# Altium PCB wtc_spi.PcbDoc (part 1 of 2) (continued)
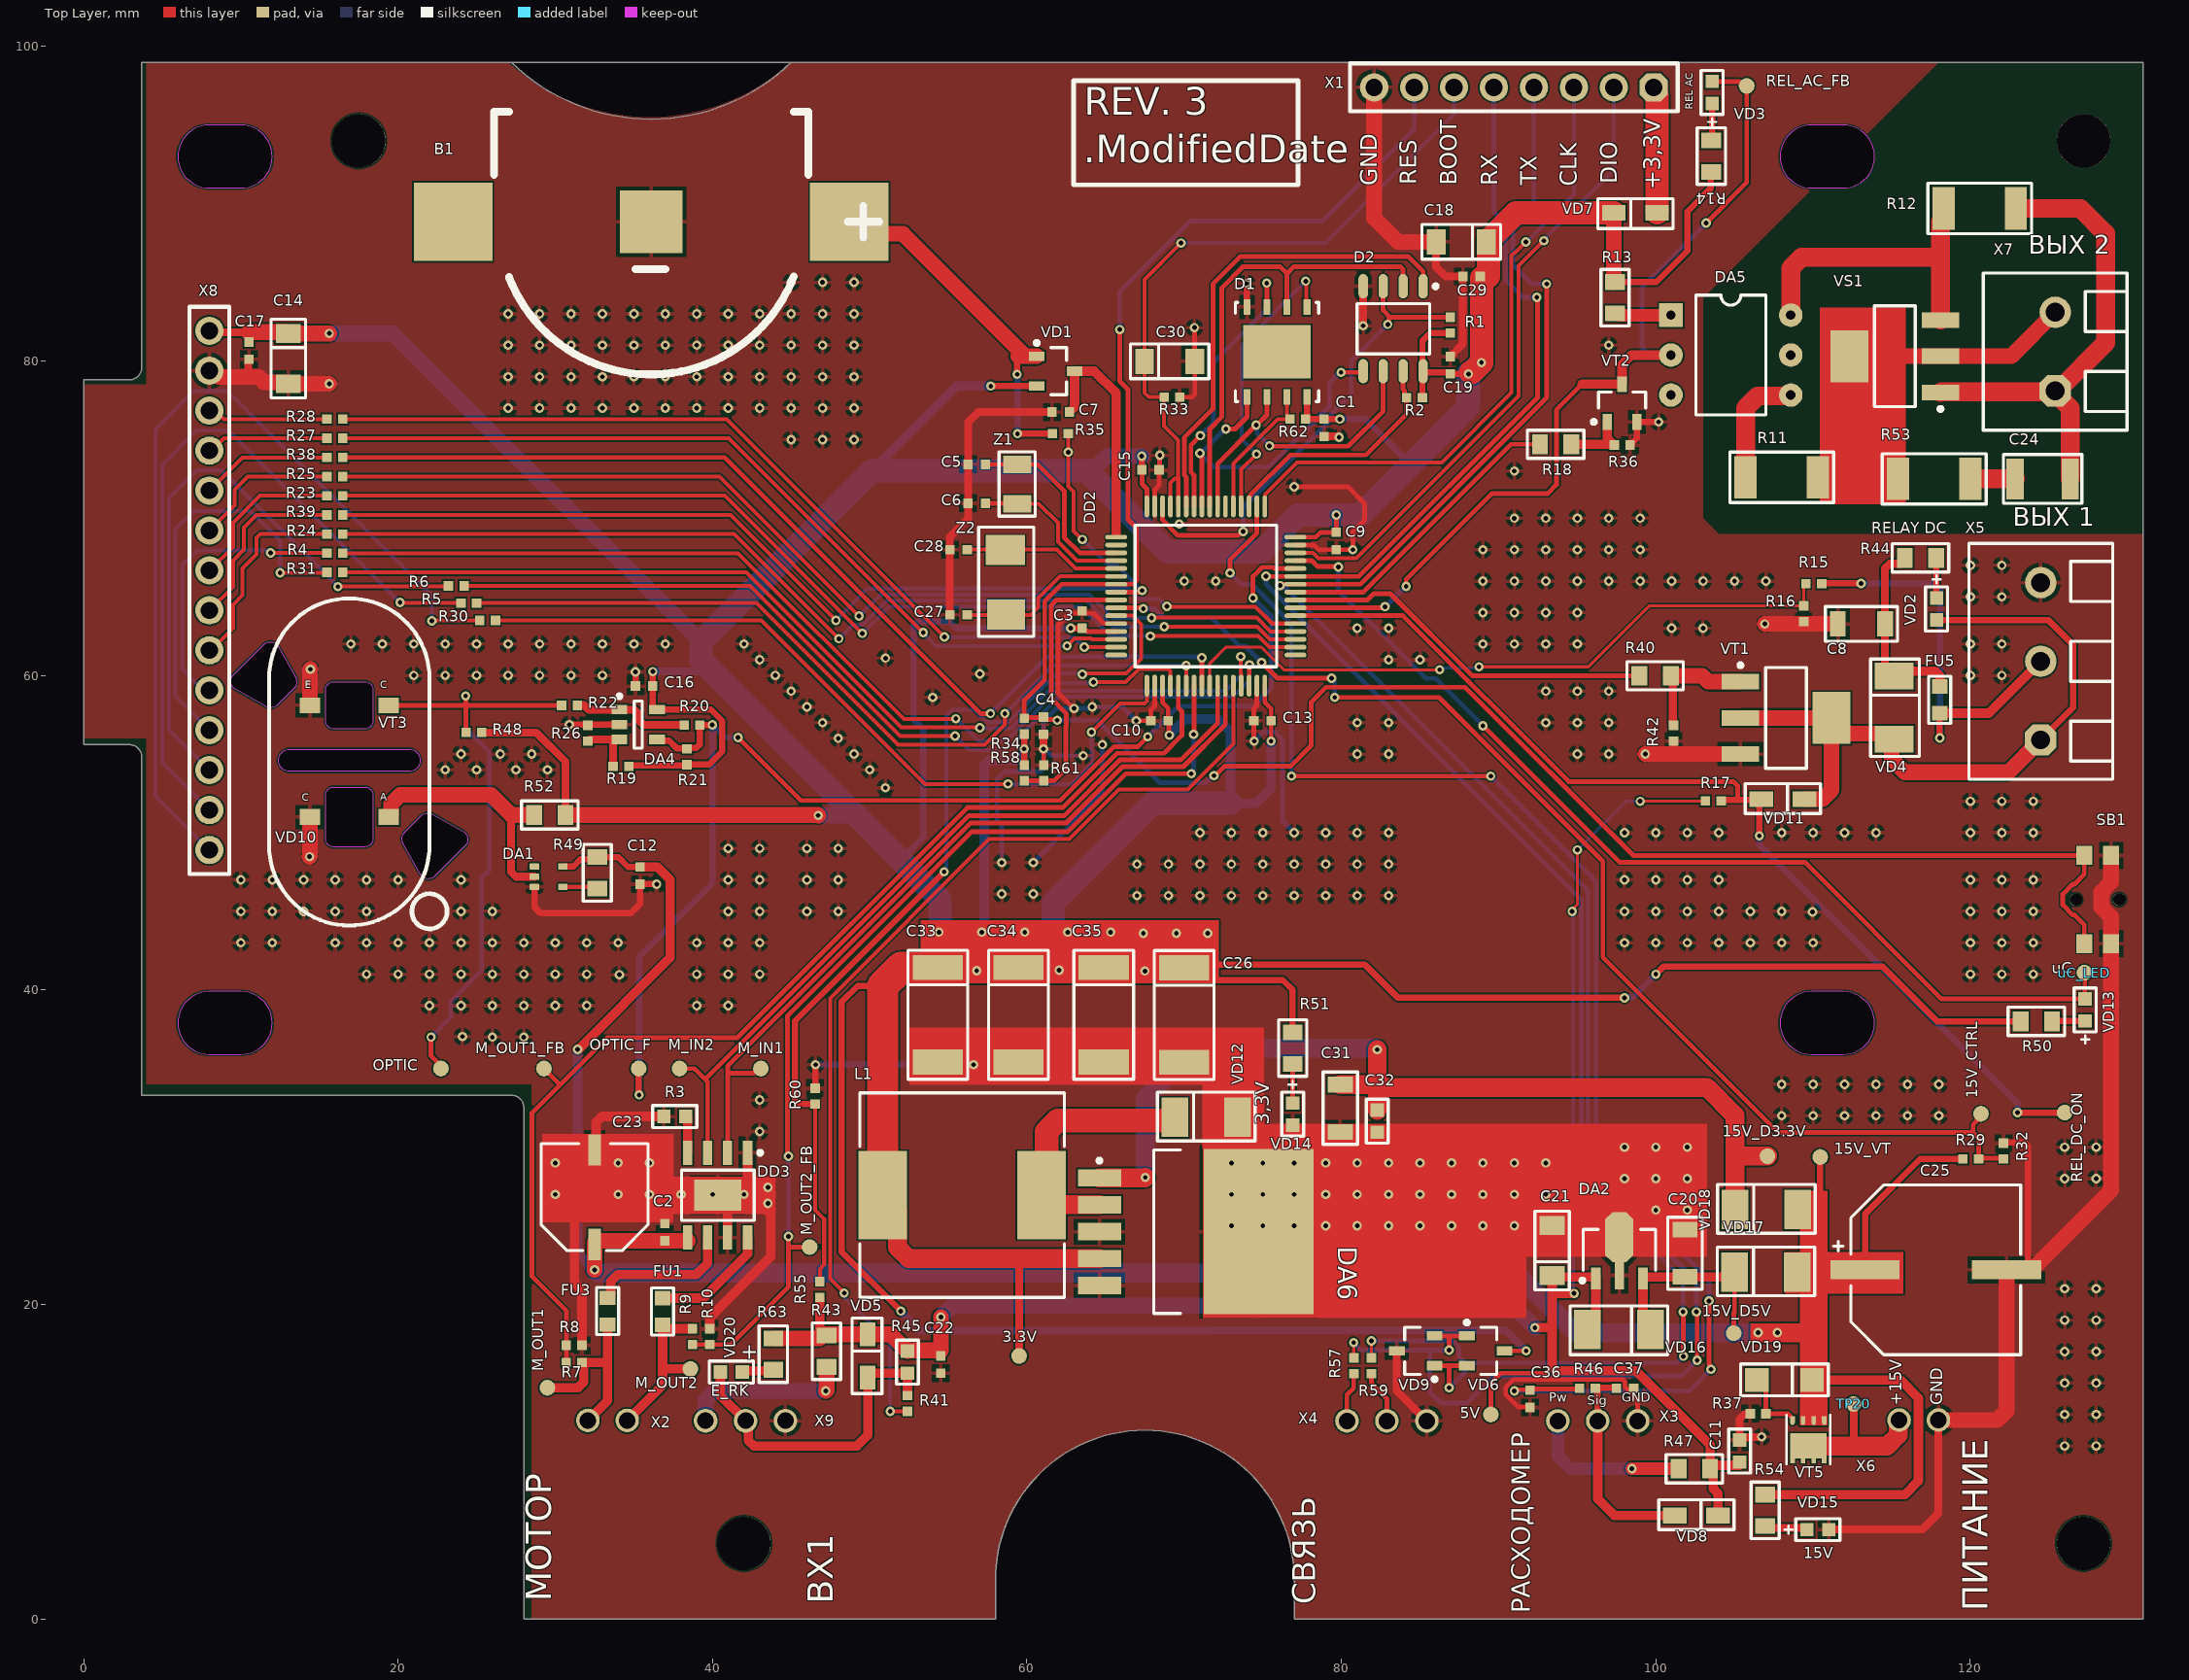
[diagram p0: Top Layer view]
## Components (designator, comment, footprint, x,y, rotation, side; value= is the part's Value field where it differs from the comment) (continued)
REL_DC_ON "=value" TESTPOINT 126,32.2 r180 top
SB1 "\"Кнопка\"" TL1014BF160QG 126.725,45.75 r90 top
TP20 "=value" TESTPOINT 112.575,13.675 r90 top
uC_LED "=value" TESTPOINT 127.25,41.1 r90 top
VD1 "BAT54C" SOT23_123 61.825,79.35 r0 top
VD2 "GREEN" CH0603LB 117.85,64.225 r270 top
VD3 "GREEN" CH0603LB 103.575,97.075 r90 top
VD4 "B340A-E3/61T" SMA 115.15,57.95 r90 top
VD5 "F1J" SOD123F 49.875,16.725 r90 top
VD6 "BAT54C" SOT23_123 89.175,17.05 r0 top
VD7 "F1J" SOD123F 98.7,89.425 r180 top
VD8 "F1J" SOD123F 102.575,6.575 r0 top
VD9 "PESD3V3S2UT" SOT23_132 84.725,17.05 r180 top
VD10 "TMSL1000" TSML1000 16.9,51 r180 top
VD11 "F1J" SOD123F 108.075,52.125 r0 top
VD12 "B140-E3/61T" SMA 71.4,31.9 r180 top
VD13 "BLUE" CH0603LB 127.3,38.725 r90 top
VD14 "RED" CH0603LB 76.9,32.1 r270 top
VD15 "ORANGE" CH0603LB 110.3,5.675 r0 top
VD16 "B140-E3/61T" SMA 97.65,18.4 r0 top
VD17 "B140-E3/61T" SMA 107,22.05 r180 top
VD18 "B140-E3/61T" SMA 107.025,26.025 r180 top
VD19 "BZV55-C10.115" SOD80 108.175,15.2 r0 top
VD20 "GREEN" CH0603LB 41.2,15.7 r180 top
VS1 "Z0107MN 5AA4" SOT223_G-D-S 115.2,80.3 r180 top
VT1 "STN3NF06L" SOT223_G-D-S 108.275,57.3 r0 top
VT2 "2N7002NXAKR" SOT23_123 97.85,77.325 r90 top
VT3 "TEMT1000" TEMT1000 16.9,58.1 r180 top
VT5 "IRFHM9331TRPBF" PQFN-3X3 108.687,10.082 r90 top
X1 "DNP" "CON: PBS-8" 90.97,97.4 r180 top
X2 "MX-22-05-3021" "CON: MX-22-05-3021" 32.075,12.625 r0 top
X3 "MX-22-05-3031" "CON: MX-22-05-3031" 93.76,12.591 r0 top
X4 "MX-22-05-3031" "CON: MX-22-05-3031" 80.35,12.591 r0 top
X5 "DG390-5.0-03P" "CON: 300-03P-5.0" 124.475,60.9 r90 top
X6 "MX-22-05-3021" "CON: MX-22-05-3021" 115.468,12.647 r0 top
X7 "DG390-5.0-02P" "CON: 300-02P-5.0" 125.4,80.6 r90 top
X8 "DS1023-1*14S21" DS1024-14 8,48.9 r90 top locked
X9 "MX-22-05-3031" "CON: MX-22-05-3031" 39.56,12.6 r0 top
Z1 "32.768KHz" "OSC: 3215" 59.375,72.175 r90 top
Z2 "16МГц" "OSC: ABM3" 58.675,65.925 r180 top

## Footprints (in the part's own frame and the unit in brackets; to place one, negate y for a bottom-side part, rotate by r counter-clockwise, add the part's x,y. Pads: shape width x height; smd on the part's side, far side on the other; paste and mask are expansions set on the pad)
8-HSOP [mm]
  rect 1.55x0.6 smd: 1(-2.7,1.905) 2(-2.7,0.635) 3(-2.7,-0.635) 4(-2.7,-1.905) 5(2.7,-1.905) 6(2.7,-0.635) 7(2.7,0.635) 8(2.7,1.905)
  rect 2x3 smd: 1(0,0)
  round 0.7 on Mech1: 28(-2.395,1.8)
  silkscreen extent -2.82,-2.3 1.61,2.83, body extent -3,-2.45 3,2.45, height 1.75
8-SOIC [mm]
  rrect100% 1.55x0.6 smd: 1(-2.7,1.905) 2(-2.7,0.635) 3(-2.7,-0.635) 4(-2.7,-1.905) 5(2.7,-1.905) 6(2.7,-0.635) 7(2.7,0.635) 8(2.7,1.905)
  round 0.7 on Mech1: 28(-2.395,1.8)
  silkscreen extent -2.82,-2.3 1.61,2.83, body extent -3,-2.45 3,2.45, height 1.75
"8-WSON (5X6MM)WITHOUT_HOLES" [mm]
  round 0.5 on Mech1: 0(-2.5,2)
  round 0.5 on Top Overlay: 1(-3.5,3)
  rect 1x0.45 smd: 1(-2.86,1.905) 2(-2.86,0.635) 3(-2.86,-0.635) 4(-2.86,-1.905) 5(2.86,-1.905) 6(2.86,-0.635) 7(2.86,0.635) 8(2.86,1.905)
  rect 3.4x4.3 smd paste-1.7: 9(0,0)
  silkscreen extent -3.15,-2.65 3.15,2.65, body extent -3.05,-2.5 2.95,2.5, height 0.8
64-LQFP [mm] "Thin QFP, 64-Leads, Body 10x10mm, Pitch 0.5mm, IPC Medium Density"
  oval 1.4x0.3 smd: 1(-5.7,3.75) 2(-5.7,3.25) 3(-5.7,2.75) 4(-5.7,2.25) 5(-5.7,1.75) 6(-5.7,1.25) 7(-5.7,0.75) 8(-5.7,0.25) 9(-5.7,-0.25) 10(-5.7,-0.75) 11(-5.7,-1.25) 12(-5.7,-1.75) 13(-5.7,-2.25) 14(-5.7,-2.75) 15(-5.7,-3.25) 16(-5.7,-3.75) 33(5.7,-3.75) 34(5.7,-3.25) 35(5.7,-2.75) 36(5.7,-2.25) 37(5.7,-1.75) 38(5.7,-1.25) 39(5.7,-0.75) 40(5.7,-0.25) 41(5.7,0.25) 42(5.7,0.75) 43(5.7,1.25) 44(5.7,1.75) 45(5.7,2.25) 46(5.7,2.75) 47(5.7,3.25) 48(5.7,3.75)
  round 0.5 on Mech1: 1(-5.4,5.4)
  oval 0.3x1.4 smd: 17(-3.75,-5.7) 18(-3.25,-5.7) 19(-2.75,-5.7) 20(-2.25,-5.7) 21(-1.75,-5.7) 22(-1.25,-5.7) 23(-0.75,-5.7) 24(-0.25,-5.7) 25(0.25,-5.7) 26(0.75,-5.7) 27(1.25,-5.7) 28(1.75,-5.7) 29(2.25,-5.7) 30(2.75,-5.7) 31(3.25,-5.7) 32(3.75,-5.7) 49(3.75,5.7) 50(3.25,5.7) 51(2.75,5.7) 52(2.25,5.7) 53(1.75,5.7) 54(1.25,5.7) 55(0.75,5.7) 56(0.25,5.7) 57(-0.25,5.7) 58(-0.75,5.7) 59(-1.25,5.7) 60(-1.75,5.7) 61(-2.25,5.7) 62(-2.75,5.7) 63(-3.25,5.7) 64(-3.75,5.7)
  round 0.5 on Top Overlay: ""(-5.7,4.4)
  silkscreen extent -4.5,-4.5 4.5,4.5, body extent -6,-6 6,6, height 1.5
"BAT: CR2032_SM" [mm]
  rect 5x5 smd: 1(-12.6,0) 1(12.6,0)
  rect 3.96x3.96 smd: 2(0,0)
  silkscreen extent -10,-9.7 14.5,7, body extent -11.55,-10 11.55,10, height 4.1
CH0402C [mm]
  rect 0.6x0.6 smd: 1(-0.55,0) 2(0.55,0)
  body extent -0.51,-0.25 0.51,0.25, height 0.51
CH0402R [mm]
  rect 0.6x0.6 smd: 1(-0.5,0) 2(0.5,0)
  body extent -0.52,-0.25 0.47,0.25, height 0.34
CH0603C [mm] "Chip Capacitor, 2-Leads, Body 1,53x0,85mm, IPC Medium Density"
  rect 0.85x0.85 smd: 1(-0.7,0) 2(0.7,0)
  silkscreen extent -1.4,-0.7 1.4,0.7, body extent -0.8,-0.4 0.8,0.4, height 0.3
CH0603F [mm] "Chip Resistor, Body 1.6x0.8mm, EIA 0603, IPC Medium Density"
  rect 0.9x1 smd: 1(-0.85,0) 2(0.85,0)
  Top Layer pour cut-out: -0.6,0.5 -0.4,0.7 0.4,0.7 0.6,0.5 0.6,-0.5 0.4,-0.7 -0.4,-0.7 -0.6,-0.5
  silkscreen extent -1.5,-0.7 1.5,0.7, body extent -0.87,-0.47 0.88,0.48, height 0.54
CH0603LB [mm] "Chip Capacitor, 2-Leads, Body 1,53x0,85mm, IPC Medium Density"
  rect 0.85x0.85 smd: 1(-0.7,0) 2(0.7,0)
  silkscreen extent -2.13,-0.7 1.4,0.7, body extent -0.8,-0.4 0.8,0.4, height 0.6
CH0603R [mm]
  rect 0.85x0.85 smd: 1(-0.7,0) 2(0.7,0)
  silkscreen extent -1.4,-0.7 1.4,0.7, body extent -0.8,-0.4 0.8,0.4, height 0.44
CH0805R [mm]
  rect 1x1.25 smd: 1(-1,0) 2(1,0)
  silkscreen extent -1.8,-0.9 1.8,0.9, body extent -1,-0.6 1,0.6, height 0.44
CH1206C [mm] "Non polar chip capacitor, size 1206"
  rect 1x1.6 smd: 1(-1.5,0) 2(1.5,0)
  silkscreen extent -2.3,-1.1 2.3,1.1, body extent -1.6,-0.8 1.6,0.8, height 1
CH1210C [mm] "Non polar chip capacitor, size 1210"
  rect 1.1x2.6 smd: 1(-1.75,0) 2(1.75,0)
  silkscreen extent -2.5,-1.55 2.5,1.55, body extent -2,-1.24 2,1.24, height 1.7
CH2010R [mm]
  rect 1.4x2.7 smd: 1(-2.3,0) 2(2.3,0)
  silkscreen extent -3.3,-1.6 3.3,1.6, body extent -2.5,-1.25 2.5,1.25, height 0.6
"CON: 300-02P-5.0" [mm] "2 pin 5.08mm screw connector"
  oct 2x2 hole 1.2: 1(-2.5,0)
  round 2 hole 1.2: 2(2.5,0)
  round 0.5 on Mech1: 13(-4.4,-3.9)
  silkscreen extent -5,-4.57 5,4.57, body extent -5.08,-4.44 5.08,4.56, height 12.5
"CON: 300-03P-5.0" [mm] "3 pin 5.08mm screw connector"
  oct 2x2 hole 1.2: 1(-5,0)
  round 2 hole 1.2: 2(0,0) 3(5,0)
  round 0.5 on Mech1: 11(-6.7,-3.7)
  silkscreen extent -7.5,-4.57 7.5,4.57, body extent -7.62,-4.44 7.62,4.56, height 12.5
"CON: MX-22-05-3021" [mm]
  round 1.5 hole 1.05: 1(0,0) 2(2.5,0)
  body extent -1.3,-12.59 3.78,0.35, height 6.5
"CON: MX-22-05-3031" [mm]
  round 1.5 hole 1.05: 1(0,0) 2(2.54,0) 3(5.08,0)
  body extent -1.27,-12.59 6.35,0.35, height 6.5
"CON: PBS-8" [mm] "PBS-8"
  oct 1.8x1.8 hole 1.1: 1(-8.89,0)
  round 1.8 hole 1.1: 2(-6.35,0) 3(-3.81,0) 4(-1.27,0) 5(1.27,0) 6(3.81,0) 7(6.35,0) 8(8.89,0)
  silkscreen extent -10.41,-1.52 10.41,1.52
D6.6C6.6H6.1 [mm]
  rect 2x0.8 smd: 1(-3,0) 2(3,0)
  silkscreen extent -3.4,-3.4 3.4,3.4, body extent -3.65,-3.3 3.65,3.3, height 5.85
D10C4.4H10 [mm]
  rect 4.4x1.2 smd: 1(-4.5,0) 2(4.5,0)
  silkscreen extent -6.5,-5.4 5.4,5.4, body extent -5.9,-5.25 5.9,5.25, height 10.5
DIP6 [mm]
  rect 1.5x1.5 hole 0.6: 1(0,0)
  round 1.5 hole 0.6: 2(0,-2.54) 3(0,-5.08) 4(7.62,-5.08) 5(7.62,-2.54) 6(7.62,0)
  silkscreen extent 1.58,-6.35 6.04,1.27
DS1024-14 [mm]
  round 1.8 hole 1.1: 1(0,0) 2(2.54,0) 3(5.08,0) 4(7.62,0) 5(10.16,0) 6(12.7,0) 7(15.24,0) 8(17.78,0) 9(20.32,0) 10(22.86,0) 11(25.4,0) 12(27.94,0) 13(30.48,0) 14(33.02,0)
  silkscreen extent -1.52,-1.27 34.54,1.27, body extent -1.49,-1.25 34.51,1.25, height 5
"IND: B82477G4" [mm]
  rect 3.1x5.6 smd: 1(-5.05,0) 2(5.05,0)
  silkscreen extent -6.5,-6.5 6.5,6.5, body extent -6.4,-6.4 6.4,6.4, height 8
"OSC: 3215" [mm]
  rect 1.1x1.8 smd: 1(-1.25,0) 3(1.25,0)
  silkscreen extent -2.05,-1.15 2.05,1.15, body extent -1.61,-0.76 1.61,0.76, height 0.91
"OSC: ABM3" [mm] "Quartz"
  rect 2.4x1.9 smd: 1(0,2.05)
  rect 2.5x1.9 smd: 3(0.05,-2.05)
  silkscreen extent -1.75,-3.5 1.75,3.45, body extent -1.6,-2.45 1.6,2.55, height 1.3
PQFN-3X3 [mm]
  oval 0.5x0.3 smd: 1(2.5,0) 3(2.5,-2.025) 3(2.5,-1.35) 3(2.5,-0.675)
  rect 0.35x0.3 smd: 1(2.65,0) 2(0,-0.675) 2(0,-2.025) 3(2.65,-2.025) 3(2.65,-1.35) 3(2.65,-0.675)
  rect 0.35x0.3 smd paste-2539.97 mask+0.102: 2(0,0) 2(0,-1.35)
  rect 1.6x2.325 smd: 2(0.918,-1.013)
  round 0.35 on Top Overlay: NONE(2.75,0.625)
  silkscreen extent -0.25,-2.4 2.88,0.38, body extent -0.17,-2.52 2.83,0.48, height 0.95
SMA [mm]
  rect 1.7x2.5 smd: 1(-2,0) 2(2,0)
  round 0.5 on Mech1: ""(2,0.9)
  silkscreen extent -3.1,-1.6 3.1,1.5, body extent -2.5,-1.35 2.5,1.35, height 2.28
SOD80 [mm]
  rect 1.5x1.5 smd: 1(-1.75,0) 2(1.75,0)
  round 0.5 on Mech1: ""(2.3,0.6)
  silkscreen extent -2.79,-1.02 2.79,1.02, body extent -1.68,-0.78 1.68,0.76, height 1.52
SOD123F [mm] "Schottky Diode, 2-Leads, Body 3x2mm, 0.4W"
  rect 1.5x1 smd: 1(-1.375,0) 2(1.375,0)
  round 0.5 on Mech1: ""(1.5,0.5)
  silkscreen extent -2.4,-0.9 2.4,1, body extent -1.87,-0.85 1.88,0.85, height 1.23
SOT23-5 [mm] "SOT23, 5-Leads, Body 2,90x2,80mm, Pitch 0,95mm, IPC Medium Density"
  rect 1x0.6 smd: 1(-1.2,0.95) 2(-1.2,0) 3(-1.2,-0.95) 4(1.2,-0.95) 5(1.2,0.95)
  round 0.5 on Mech1: ""(-1.1,1.1)
  silkscreen extent -1.32,-1.5 0.25,1.92, body extent -1.5,-1.5 1.5,1.5, height 1.3
SOT23_123 [mm] "SOT23, 3-Leads, Body 3,0x2,6mm (max), Pitch 0,95mm, IPC Medium Density"
  rect 1x0.6 smd: 1(-1.2,0.95) 2(1.2,0) 3(-1.2,-0.95)
  round 0.5 on Mech1: ""(-0.9,1.1)
  silkscreen extent -1.32,-1.5 0.7,1.92, body extent -1.32,-1.52 1.32,1.52, height 1.12
SOT23_132 [mm] "SOT23, 3-Leads, Body 3,0x2,6mm (max), Pitch 0,95mm, IPC Medium Density"
  rect 1x0.6 smd: 1(-1.2,0.95) 2(-1.2,-0.95) 3(1.2,0)
  round 0.5 on Mech1: ""(-0.9,1.1)
  silkscreen extent -1.33,-1.5 0.7,1.92, body extent -1.32,-1.52 1.32,1.52, height 1.12
SOT89_PC12120 [mm]
  rect 1.8x0.6 smd: 1(-1.6,0)
  oct 3.2x1.8 smd: 1(0.825,0)
  rect 1.4x0.6 smd: 2(-1.8,-1.5) 3(-1.8,1.5)
  round 0.5 on Mech1: ""(-1.8,1.8)
  silkscreen extent -2.05,-2.3 1.32,2.47, body extent -2.3,-2.25 2,2.25, height 1.51
SOT223_G-D-S [mm]
  rect 2.4x1 smd: 1(-2.9,2.3) 2(-2.9,0) 3(-2.9,-2.3)
  rect 2.4x3.3 smd: 2(2.9,0)
  round 0.5 on Mech1: ""(-3,2.7)
  silkscreen extent -3.03,-3.2 1.3,3.47, body extent -3.48,-3.25 3.48,3.25, height 1.65
SOT353 [mm]
  rrect20% 0.6x0.4 smd: 1(0,0) 2(0,-0.65) 3(0,-1.3) 4(1.8,-1.3) 5(1.8,0)
  body extent -0.2,-1.73 2,0.48, height 1
TANTAL_A [mm]
  rect 1.2x1.6 smd: 1(-1.6,0) 2(1.6,0)
  round 0.5 on Mech1: ""(-1.2,0.4)
  silkscreen extent -2.5,-1.1 2.5,1.1, body extent -1.7,-0.84 1.7,0.84, height 1.71
TANTAL_C [mm]
  rect 1.6x3.2 smd: 1(-3,0) 2(3,0)
  round 0.5 on Mech1: ""(-2.5,1.1)
  silkscreen extent -4.1,-1.9 4.1,1.9, body extent -3.05,-1.67 3.05,1.68, height 2.7
TEMT1000 [mm]
  rect 1.3x1 smd: 1(-2.5,0) 2(2.5,0)
  body extent -2.9,-1 2.9,1, height 1.55
TESTPOINT [mm]
  round 1 smd: 0(0,0)
TestPoint [mm]
  round 1 smd: 0(0,0)
TL1014BF160QG [mm]
  rect 1.2x1 smd: 1(-2.8,-0.525) 1(2.8,-0.525) 2(-2.8,-2.225) 2(2.8,-2.225)
  round 0.6 on Top Overlay mask+0.05: 360(4,-0.475)
  round 0.8 hole 0.8: N(0,0) N(0,-2.75)
  body extent -3.2,-4.13 3.2,0.37, height 1.65
TO263S-5+1 [mm]
  rect 2.75x1.1 smd: 1(-5.062,3.42) 2(-5.062,1.71) 3(-5.062,0) 4(-5.062,-1.71) 5(-5.062,-3.42)
  rect 7x10.5 smd: 3(5.063,0)
  round 0.5 on Mech1: ""(-5.1,4.5)
  silkscreen extent -5.19,-5.2 0.09,5.2, body extent -5.69,-5.08 8.33,5.08, height 4.56
TSML1000 [mm]
  rect 1.3x1 smd: 1(-2.5,0) 2(2.5,0)
  body extent -2.9,-1 2.9,1, height 1.55

## Part data
3.3V 5V 15V_CTRL 15V_D3.3V 15V_D5V 15V_VT M_IN1 M_IN2 M_OUT1 M_OUT1_FB M_OUT2 M_OUT2_FB OPTIC OPTIC_F REL_AC_FB REL_DC_ON TP20 uC_LED: library part TestPoint, Model=DNP
B1: library part Battery_CR2032, "Battery Retainer Coin, 20.0mm 1 Cell PC Pin, Keystone Electronics", Model=3044
C1 C2 C8 C17 C19 C20 C24 C29 C31 C32: library part Capacitor
  C1 C17 C19 C29: Model=CC0402KRX7R5BB104
  C2: Model=04025C104KAT2A
  C8 C20 C31: Model=CL31B106KBHNNNE
  C24: Model=GRM32QR73A103KW
  C32: Model=06035C104KAT2A
C3 C4 C5 C6 C7 C9 C10 C13 C15 C27 C28: library part Capacitor, "0402"
  C3 C4 C7 C10 C13 C15: Model=C1005X5R0J475K050BC
  C5 C6: Model=04026D100JAT2A
  C9: Model=C0402C474K9RAC7867
  C27 C28: Model=04025A8R2JAT2A
C11 C12 C16 C22 C36 C37: library part Capacitor, "0805"
  C11: Model=06035C104KAT2A
  C12: Model=DNP
  C16 C22 C36 C37: Model=CC0402KRX7R5BB104
C14 C18 C21 C26 C30 C33 C34 C35: library part TantalCap
  C14 C18 C21 C30: Model=T494A226M010AT
  C26 C33 C34 C35: Model=593D107X9010C2TE3
C23 C25: library part AlumCap
  C23: Model=JCK1V101M063077
  C25: Model=EEE-FT1H331AP
D1: "Flash", Manufacturer="Winbond Electronics", ComponentKind=8-WSON, HelpURL=https://www.digikey.com/product-detail/en/winbond-electronics/W25Q128FVPIG/W25Q128FVPIG-ND/4037386, Model=W25Q128FVPIG
D2: library part W25Q80JVSSIQ, "Flash", Manufacturer="Winbond Electronics", ComponentKind=8-SOIC, HelpURL=https://www.digikey.com/product-detail/en/winbond-electronics/W25Q80JVSSIQ/W25Q80JVSSIQ-ND/6193772, Model=FM25L16B
DA1: library part PSSI2021SAY, "Iout = 0.617/Rext + 15 µA", Model=DNP
DA2: library part LM1117, Model=L78L05ABUTR
DA4: library part LMV331M5, "SOT23-5", Model=TS391RILT
DA5: library part MOC3063, Model=MOC3063M
DA6: library part LM2575HV, Model=LM2596HVR-3.3
DD2: library part STM32F103RCT6, "Cortex-M3 (64-LQFP)", Model=STM32F103RGT6
FU1 FU3 FU5: library part Fuse
  FU1 FU3: Model=MFU0603FF02000P500
  FU5: Model=MFU0603FF02500P500
L1: library part Inductor, Model=B82477G4104M000
R1 R2 R4 R5 R6 R23 R24 R25 R27 R28 R30 R31 R35 R38 R39 R62: library part Resistor, "0603"
  R1 R2 R62: Model=AC0402FR-0710KL
  R4 R5 R6 R23 R24 R25 R27 R28 R30 R31 R38 R39: Model=RC0402FR-07330RL
  R35: Model=AC0402FR-0730KL
R3 R7 R8 R9 R10 R11 R12 R13 R14 R15 R16 R17 R18 R19 R20 R21 R22 R26 R29 R32 R36 R37 R40 R41 R42 R43 R44 R45 R46 R47 R50 R51 R53 R54 R55 R57 R58 R59 R60 R61 R63: library part Resistor
  R3: Model=AC0603FR-0732K4L
  R7 R9 R15: Model=AC0402FR-0768KL
  R8 R10 R16 R19 R26 R32 R55 R58 R60 R61: Model=AC0402FR-0710KL
  R11 R12: Model=AC2010FK-07360RL
  R13: Model=AC0805FR-07360RL
  R14: Model=AC0805FR-071KL
  R17: Model=AC0402FR-0730KL
  R18 R40 R43 R47: Model=AC0805FR-7W100RL
  R20: Model=AC0402FR-071ML
  R21: Model=DNP
  R22: Model=AC0402FR-07180KL
  R29: Model=AC0402FR-0791KL
  R36 R42: Model=AC0402FR-074K7L
  R37: Model=AC0402FR-07100KL
  R41 R46: Model=RC0402FR-07330RL
  R44 R54: Model=AC0805FR-0715KL
  R45: Model=AC0603FR-0710KL
  R50 R51: Model=AC0805FR-073K3L
  R53: Model=AC2010FK-07620RL
  R57 R59: Model=AC0402FR-07100RL
  R63: Model=AC0805FR-0710K5L
R33 R34 R48 R49 R52: library part Resistor, "0805"
  R33 R34: Model=AC0402FR-0710KL
  R48: Model=AC0402FR-0713KL
  R49: Model=DNP
  R52: Model=AC0805FR-7W130RL
SB1: library part "Tactile switches", "6x6 mm", Model=TL1014BF160QG
VD1: library part "Diod Schottky Array v.1", "SOT-23", Model=BAT54C
VD2 VD3 VD10 VD13 VD14 VD15 VD20: library part LED_1
  VD2 VD3 VD20: Model=B1911NG
  VD10: Model=TMSL1000
  VD13: Model=B1911NB
  VD14: Model=B1911USD
  VD15: Model=B1911UD
VD4: library part "Diod Schottky", Model=B340A-E3/61T
VD5 VD7 VD8 VD11 VD12 VD16 VD17 VD18: library part Diod
  VD5 VD7 VD8 VD11: Model=F1J
  VD12 VD16 VD17 VD18: Model=B140-E3/61T
VD6: library part "Diod Schottky Array v.1", Model=BAT54C
VD9: library part "TVS Array", Model=PESD3V3S2UT
VD19: library part "Diod Zener", Model=BZV55-C10.115
VS1: library part TRIAC, "Bipolar", Model="Z0107MN 5AA4"
VT1 VT2: library part N-chanel, "Mosfet"
  VT1: Model=STN3NF06L
  VT2: Model=2N7002NXAKR
VT5: library part P-chanel, "Mosfet", Model=IRFHM9331TRPBF
X1: library part 8-Connector, "Pin header 8", Model=DNP
X2 X6 X7: library part 2-Connector
  X2 X6: Model=MX-22-05-3021
  X7: Model=DG390-5.0-02P
X3 X4 X5 X9: library part 3-Connector
  X3 X4 X9: Model=MX-22-05-3031
  X5: Model=DG390-5.0-03P
X8: library part 14-Connector, Model=DS1023-1*14S21
Z1: library part Oscillator, Model="Q 0,032768-JTX310-12,5-20-T1-LF"
Z2: library part Oscillator, "NX5032GA-16.000000MHZ-LN-CD-1", Model=NX5032GA-16.000000MHZ-LN-CD-1
DD3: Model=DRV8871
VT3: Model=TEMT1000

## Free pads (board coordinates)
  round 3.4 hole 3.4 unplated: NN(17.5,94) NN(42,4.8) NN(127.2,4.8) NN(127.2,94)

## Via types
v1: diameter 0.6, hole 0.3, Top Layer to Bottom Layer, tented both sides, 537 vias

## Nets (pads, with @x,y where several pads share a name; then routed paths per layer and width w, separated by ;. In a path a pad name is that pad's centre, name@x,y a point inside that pad or via, vN(x,y) a via of type N, cw(c..) or ccw(c..) an arc to the next point about the centre after c; other vN are vias at no path point)
3R3V_CNTR: DD2.9 R58.1 R61.2 | length 18
  Top Layer w0.3: R58.1@59.825,53.3 R61.2@61.075,53.3 61.723,53.3 62.475,54.052 62.475,56.776 62.5,56.801 62.5,57.587 61.55,58.537 61.55,64.474 61.876,64.8 DD2.9@65.675,64.8
5V_CNTR: DD2.11 R55.1 R60.2 | length 60
  Top Layer w0.25: R60.2@46.525,32.75 46.525,26 47.1,25.425 47.1,22.525 46.825,22.25 R55.1@46.825,21.45 ; v1(63.525,60.075) 63.575,60.125 66.3,60.125 67.25,61.075 67.25,63.25 66.7,63.8 DD2.11@65.675,63.8
  Top Layer w0.4: R60.2@46.525,32.75 45.484,32.75 45.25,32.984 45.25,38.028 v1(54.731,47.509)
  Bottom Layer w0.25: v1(54.731,47.509) 54.731,47.604 54.875,47.748 54.875,57.43 55.247,57.802 56.651,57.802 57.424,57.029 58.823,57.029 61.92,60.125 63.475,60.125 v1(63.525,60.075)
15V_CNTR: 15V_CTRL.0 DD2.10 R29.1 R32.1 | length 77
  Top Layer w0.3: DD2.10@65.675,64.3 67.35,64.3 v1(67.4,64.25) ; v1(74.925,60.825) 75.925,59.825 v1(79.375,59.825) ; v1(79.575,58.6) 86.2,58.6 96.625,48.175 96.625,42.075 107.775,30.925 120.174,30.925 ; R29.1@120.525,29.25 120.525,30.574 120.174,30.925 ; 15V_CTRL.0@120.675,32.125 120.675,31.936 120.174,31.434 120.174,30.925 ; R29.1@120.725,29.3 R32.1@122.025,29.3
  Bottom Layer w0.3: v1(67.4,64.25) 67.412,64.238 68.15,64.238 68.713,63.675 71.725,63.675 73.525,61.875 73.875,61.875 v1(74.925,60.825) ; v1(79.375,59.825) 79.375,59.744 79.575,59.544 v1(79.575,58.6)
+3.3V: 3.3V.0 C1.2 C3.1 C9.1 C10.2 C13.2 C14.1 C15.2 C16.2 C17.2 C18.1 C19.2 C26.1 C29.2 C33.1 C34.1 C35.1 D1.8 D2.8 DA4.5 DA6.4 DD2.13 DD2.19 DD2.32 DD2.48 DD2.64 L1.1 R1.2 R2.2 R13.2 R14.2 R19.2 R21.2 R34.2 R48.2 R50.2 R51.2 R52.2 R58.2 R62.2 VD1.3 VD6.2 VD7.2 X8.14 | length 518
  Top Layer w0.3: C3.1@63.5,63 63.65,62.85 63.776,62.85 63.826,62.8 64.175,62.8 ; 64.175,62.8 DD2.13@65.675,62.8 ; C15.2@67.325,73.05 67.325,72.175 67.625,71.875 DD2.64@67.625,70.75 ; DD2.19@68.625,59.35 68.625,58.275 68.975,57.925 C10.2@68.975,57.125 69.012,57.087 69.012,56.237 v1(69.05,56.2) ; DD2.32@75.125,59.35 75.125,58.3 75.525,57.9 C13.2@75.525,57.125 v1(75.525,55.825) ; DD2.48@77.075,68.8 78.375,68.8 78.675,69.1 C9.1@79.675,69.1 v1(79.675,70.202) ; VD6.2@90.375,17.05 v1(91.75,17.05)
  Top Layer w0.4: R19.2@34.675,54.225 34.725,54.275 38.325,54.275 R21.2@38.375,54.325 38.392,54.342 39.792,54.342 40.613,55.163 40.613,57.115 39.903,57.825 DA4.5@36.475,57.825 36.3,57.825 36.2,57.925 C16.2@36.2,59.325 v1(36.2,60.25) ; 50.825,40.253 49.226,40.253 48.2,39.227 48.2,23.35 v1(51.975,19.575) ; v1(57.7,78.4) VD1.3@60.625,78.4 ; R58.2@59.825,54.3 v1(59.825,55.325) R34.2@59.825,56.275 ; v1(62.775,63) C3.1@63.5,63 ; v1(67.3,73.95) C15.2@67.3,73.075 C15.2@67.325,73.05 ; C26.1@70,41.4 70.2,41.6 81.5,41.6 83.6,39.5 v1(98,39.5) ; 71.8,40.8 71.975,40.625 76.275,40.625 76.9,40 R51.2@76.9,37.3 ; D1.8@77.805,77.715 77.8,77.71 77.8,76.3 C1.2@78.9,76.3 v1(79.9,76.3) ; R2.2@85.15,77.675 85.15,79.125 85.287,79.262 86.838,79.262 C19.2@86.925,79.175 v1@88.167,79.175 ; D2.8@85.15,79.35 85.15,81.275 85.65,81.775 R1.2@86.925,81.775 ; v1@88.129,79.175 v1@88.229,79.275 ; C18.1@88.825,88.175 89.325,87.675 C18.1@89.35,87.675 ; R13.2@97.325,85.025 R13.2@97.4,85.025 100.025,85.025 102,87 102,89.5 103.5,91 103.5,92 R14.2@103.525,92.025 ; v1(100,41) 100.5,41.5 114.4,41.5 117.9,38 R50.2@123.2,38
  Top Layer w0.5: X8.14@8,81.92 8.085,81.835 10.513,81.835 10.513,81.212 C17.2@10.525,81.2 ; R48.2@25.325,56.375 28.8,56.375 30.65,54.525 R52.2@30.65,51.125 ; 59.45,22.915 59.5,22.865 3.3V.0@59.5,16.725
  Top Layer w1: 10.513,81.835 12.94,81.835 C14.1@13.025,81.75 v1(15.625,81.75) ; R52.2@30.65,51.125 46.7,51.125 v1(46.725,51.1) ; R13.2@97.325,85.025 VD7.2@97.325,89.425
  Top Layer w1.2: L1.1@50.825,26.95 51.775,26 51.775,23.618 52.478,22.915 59.45,22.915 DA6.4@64.613,22.915
  Top Layer w1.5: 56.575,41.425 56.575,43.55 ; 61.625,41.425 61.625,43.6 ; v1@88.229,79.275 88.296,79.275 v1@88.9,79.879 ; v1@88.921,79.9 C29.2@88.921,85.279 ; 89.35,85.375 89.35,87.675 91.1,89.425 VD7.2@97.325,89.425
  Top Layer w2: L1.1@50.825,26.95 50.825,36.05 ; 50.825,36.125 50.825,40.253 51.997,41.425 C33.1@54.325,41.425 56.575,41.425 C34.1@59.462,41.425 61.625,41.425 C35.1@64.875,41.425
  Bottom Layer w0.4: 51.862,48.362 52.062,48.362 53.4,49.7 53.4,56.6 52.775,57.225 52.775,63.191 53.009,63.425 55.1,63.425 55.525,63 v1(62.775,63) ; v1(79.9,76.3) 81.525,76.3 84.412,73.412 ; v1(98,39.5) 98.038,39.538 98.538,39.538 v1(100,41)
  Bottom Layer w0.5: v1(36.2,60.25) 39.275,60.25 ; v1(51.975,19.575) 51.975,19.548 52.625,18.898 52.625,18.875 53.175,18.325 71.8,18.325 71.825,18.35 90.45,18.35 v1(91.75,17.05) ; v1@59.806,55.306 v1(59.825,55.325)
  Bottom Layer w0.6: 50.138,73.012 55.525,78.4 v1(57.7,78.4) ; 57.45,43.825 57.275,44 57.275,54.307 57.568,54.6 59.513,54.6 59.806,54.893 v1@59.806,55.306 ; v1(69.05,56.2) 70.075,57.225 72.15,57.225 72.95,56.425 72.95,51.875 74.575,51.875 75.525,52.825 v1(75.525,55.825)
  Bottom Layer w1: v1(15.625,81.75) 19.675,81.75 39.275,62.15 ; v1(46.725,51.1) 49.125,51.1 49.15,51.075 ; 63.963,72.838 64.137,73.012 65.075,73.95 v1(67.3,73.95)
  Bottom Layer w1.5: 49.125,51.1 39.275,60.95 39.275,62.15 50.138,73.012 64.137,73.012 ; 49.15,51.075 51.862,48.362 54.475,45.75 54.475,43.7 54.45,43.675 v1(54.4,43.675) ; 61.675,43.65 61.675,45.55 68,51.875 72.95,51.875 ; 63.963,72.838 68.925,67.875 74.9,67.875 77.227,70.202 v1(79.675,70.202) 81.202,70.202 84.412,73.412 88.075,77.075 v1(88.075,79.175) ; v1@88.1,79.1 v1(88.9,79.9)
  other v1: 67.5,41.2 56.8,41.225 62.05,41.25 67.4,43.6 69.5,43.6 71.5,43.6 57.131,43.675 59.862,43.675 62.594,43.675 65.325,43.675
+5V: 5V.0 C11.2 C21.1 C22.2 DA2.3 R17.2 R43.1 R45.1 R47.1 R55.2 R63.2 VD5.2 VD8.2 VD16.1 | length 132.1
  Top Layer w0.2: v1(94.675,45) 94.675,45.108 95.007,45.44 v1(95.007,48.907) ; v1(99,52) 103.125,52 R17.2@103.15,52.025
  Top Layer w0.3: 5V.0@89.5,13 89.5,15 90.125,15.625 92.975,15.625 93.4,16.05
  Top Layer w0.6: R43.1@46.806,17.845 46.825,17.864 R55.2@46.825,20.45 ; R45.1@52.4,17.025 R45.1@52.425,17.05 ; v1(92.3,18.525) 93.4,18.525 ; v1(94.8,20.7) 93.4,20.7 ; VD16.1@95.65,18.4 96.175,18.925 DA2.3@96.175,21.65 96.175,21.738 93.487,21.738 C21.1@93.4,21.825 93.4,20.7 ; VD8.2@103.95,6.575 103.95,7.975 103.65,8.275 103.65,9.35 R47.1@103.45,9.55 ; C11.2@105.325,9.975 105.325,9.775 103.65,9.775 103.65,9.75 R47.1@103.45,9.55 ; 93.4,18.525 93.4,20.7 ; 93.4,18.525 93.4,16.05 93.675,15.775 98.75,15.775 103.45,11.075 103.45,9.775 R47.1@103.45,9.55
  Top Layer w1: R63.2@43.867,17.845 R43.1@46.806,17.845 ; R43.1@47.061,18.1 VD5.2@49.875,18.1 51.325,18.1 R45.1@52.4,17.025 ; R45.1@52.425,17.05 52.45,17.075 54.525,17.075 v1(54.525,19.2)
  Bottom Layer w0.2: v1(94.675,45) 94.737,44.937 94.737,20.763 v1(94.8,20.7) ; v1(95.007,48.907) 98.1,52 v1(99,52)
  Bottom Layer w1: v1(54.525,19.2) 55.25,19.925 90.9,19.925 v1(92.3,18.525)
+15V: 15V_VT.0 C2.2 C12.2 C23.1 C25.1 DA1.5 DD3.5 R29.2 R49.2 R54.2 VD17.1 VD18.1 VD19.2 VT5.3 | length 157.1
  Top Layer w0.4: DA1.5@30.475,47.85 31.15,47.85 31.625,48.325 32.55,48.325 R49.2@32.675,48.45 34,48.45 34.625,47.825 C12.2@35.4,47.825 ; v1(31.425,36.225) v1@31.471,36.225 ; 110.225,26.325 110.45,26.55 15V_VT.0@110.45,29.375 ; C25.1@113.3,22.2 113.3,25.75 116.8,29.25 R29.2@119.525,29.25
  Top Layer w0.6: v1(31.425,36.225) 31.471,36.225 37.3,42.054 37.3,47.025 36.5,47.825 C12.2@35.4,47.825 ; C23.1@32.5,23.825 C23.1@32.525,23.85 ; DD3.5@38.42,24.05 DD3.5@38.42,24.25 ; R54.2@106.95,7.9 115.825,7.9 116.7,8.775 116.7,14.05 115.55,15.2 VD19.2@109.925,15.2
  Top Layer w1: v1(32.5,22.2) C23.1@32.5,23.825 ; C23.1@32.525,24.05 C2.2@36.975,24.05 DD3.5@38.42,24.05
  Bottom Layer w0.6: v1(31.425,36.225) 31.425,23.275 v1(32.5,22.2)
  Bottom Layer w1.2: v1(32.5,22.2) 32.7,22 91.1,22 94.9,18.2 v1(106.5,18.2) v1(107.725,18.2)
_220V_REL: DD2.41 R18.2 | length 19.4
  Top Layer w0.3: DD2.41@77.075,65.3 81.391,65.3 90.425,74.334 90.791,74.7 R18.2@92.625,74.7
BACK_LIGHT: R39.1 X8.7 | length 11.8
  Top Layer w0.25: X8.7@8,64.14 9.5,65.64 9.5,67.3 10.2,68 10.2,69.4 11.009,70.209 R39.1@15.475,70.209
BIN1: DD2.27 DD3.2 M_IN1.0 | length 50.7
  Top Layer w0.3: DD3.2@40.96,29.65 40.96,34.709 ; M_IN1.0@42.939,34.709 42.781,34.866 42.752,34.866 42.595,34.709 40.96,34.709 ; DD2.27@72.625,59.35 72.625,56.875 69.95,54.2 66.078,54.2 62.503,50.625 56.433,50.625 40.96,35.152 40.96,34.709
BIN2: DD2.26 DD3.3 M_IN2.0 | length 51
  Top Layer w0.3: M_IN2.0@37.9,35 38.854,35 39.53,34.324 ; DD3.3@39.69,29.65 39.69,34.164 39.53,34.324 ; DD2.26@72.125,59.35 72.125,56.976 69.774,54.625 65.902,54.625 62.352,51.075 56.282,51.075 39.53,34.324
BOOT: C30.1 DD2.60 DD2.61 R33.2 X1.6 | length 43.8
  Top Layer w0.25: DD2.61@69.125,70.75 69.125,72.25 69.4,72.525 69.625,72.525 ; DD2.60@69.625,70.75 69.625,72.525 ; v1(69.8,87.5) 67.475,85.175 67.475,77.975 67.75,77.7 R33.2@68.725,77.7 68.725,75.85 69.6,74.975 69.6,72.59 69.625,72.565 69.625,72.525
  Bottom Layer w0.25: v1(69.8,87.5) 78.975,87.5 87.16,95.685 X1.6@87.16,97.4
D1_CS: D1.1@77.805,83.435 DD2.52 | length 18.5
  Top Layer w0.25: DD2.52@73.625,70.75 73.625,73.1 v1(74.6,74.075) ; v1(77.725,85.075) 77.765,85.035 77.765,83.475 D1.1@77.805,83.435
  Bottom Layer w0.25: v1(74.6,74.075) 73.65,75.025 73.65,81 v1@77.713,85.062
D1_WP: D1.3 DD2.58 | length 17.8
  Top Layer w0.3: DD2.58@70.625,70.75 70.625,72.732 70.425,72.932 70.425,74.65 v1(71.025,75.25) ; v1(75.25,84.95) 75.258,84.942 75.258,83.443 D1.3@75.265,83.435
  Bottom Layer w0.3: v1(71.025,75.25) 71.875,76.1 71.875,79.925 75.175,83.225 75.175,83.25 75.25,83.325 v1(75.25,84.95)
D_COM_EN: R28.1 X8.12 | length 7.7
  Top Layer w0.25: X8.12@8,76.84 8.379,76.84 8.919,76.3 R28.1@15.475,76.3
D_MISO: R24.1 X8.6 | length 13
  Top Layer w0.25: X8.6@8,61.6 8.084,61.6 9.5,63.016 9.5,64.5 10.1,65.1 10.1,66.8 11,67.7 11,68.757 11.234,68.991 R24.1@15.475,68.991
D_MOSI: R25.1 X8.9 | length 9.5
  Top Layer w0.25: X8.9@8,69.22 9.6,70.82 9.6,71.8 10.445,72.645 R25.1@15.475,72.645
D_RES: R27.1 X8.11 | length 7.8
  Top Layer w0.25: X8.11@8,74.3 8.153,74.3 8.934,75.082 R27.1@15.475,75.082
D_SCK: R23.1 X8.8 | length 10.3
  Top Layer w0.25: X8.8@8,66.68 9.5,68.18 9.5,69.7 11.227,71.427 R23.1@15.475,71.427
DATA/COMM: R38.1 X8.10 | length 8.3
  Top Layer w0.25: X8.10@8,71.76 10.104,73.864 R38.1@15.475,73.864
DP_SWITCH: DD2.28 R41.1 | length 65
  Top Layer w0.25: v1(48.375,20.725) 47.475,21.625 47.475,39.475 57.6,49.6 62.7,49.6 65.85,52.75 70.228,52.75 73.125,55.647 DD2.28@73.125,59.35 ; v1(51.3,13.2) R41.1@52.4,13.2 R41.1@52.387,13.187
  Bottom Layer w0.25: v1(48.375,20.725) 48.375,20.475 51.3,17.55 v1(51.3,13.2)
DRV_A_1_CNTR: DD2.21 M_OUT1_FB.0 R7.2 R8.2 | length 72.8
  Top Layer w0.3: M_OUT1_FB.0@29.275,35 30.3,33.975 30.325,33.975 ; R7.2@30.7,16.3 R8.2@30.7,17.4 30.7,19.6 28.525,21.775 28.525,32.175 30.325,33.975 ; DD2.21@69.625,59.35 69.625,57.95 69.85,57.725 69.85,56.187 68.713,55.05 65.726,55.05 62.276,51.6 56.206,51.6 41.556,36.95 33.3,36.95 30.325,33.975
DRV_A_2_CNTR: DD2.23 M_OUT2_FB.0 R9.2 R10.2 | length 64
  Top Layer w0.3: R9.2@38.725,17.45 R10.2@39.825,17.45 41.175,17.45 44.825,21.1 44.825,23.65 ; v1(44.825,24.325) 44.825,23.65 ; v1(44.825,29.425) 44.775,29.475 44.775,38.366 56.459,50.05 62.584,50.05 66.284,53.75 v1(70.45,53.75) ; M_OUT2_FB.0@46.175,23.65 44.825,23.65 ; v1(70.593,56.257) 70.625,56.289 DD2.23@70.625,59.35
  Bottom Layer w0.3: v1(44.825,24.325) v1(44.825,29.425) ; v1(70.45,53.75) 70.45,53.831 70.593,53.974 v1(70.593,56.257)
FRAM_CS: D2.1 DD2.59 | length 30.4
  Top Layer w0.3: DD2.59@70.125,70.75 70.125,72.631 70,72.756 70,75.125 71.825,76.95 71.825,84.9 73.575,86.65 84.25,86.65 85.195,85.705 D2.1@85.195,84.75
FRAM_HOLD: D2.7 DD2.51 R2.1 | length 15.7
  Top Layer w0.3: DD2.51@74.125,70.75 74.125,71.3 74.2,71.375 74.2,71.476 76.749,74.025 81.55,74.025 84.15,76.625 R2.1@84.15,77.675 84,77.825 84,78.125 83.925,78.2 D2.7@83.925,79.35
FRAMS_WP: D2.3 DD2.62 R1.1 | length 30
  Top Layer w0.3: DD2.62@68.625,70.75 68.625,69.881 69.604,68.902 73.424,68.902 73.672,69.15 v1(73.75,69.15) ; D2.3@82.655,84.75 82.655,83.22 83.1,82.775 ; v1(82.95,82.325) 83.007,82.382 83.007,82.682 83.1,82.775 ; R1.1@86.925,82.775 83.1,82.775
  Bottom Layer w0.3: v1(73.75,69.15) 73.75,70.7 79.325,76.275 79.325,76.599 80.625,77.899 80.625,80 v1(82.95,82.325)